# Altium PCB BACKPMANv20.PcbDoc (part 3 of 4)
Units mm, origin at the board's own origin, x right, y up, seen from the top; angles counter-clockwise.
Board outline 113 x 160 mm, 4 copper layers (Component Side, Layer 1, Layer 2, Bottom Layer), stack 1.707 mm thick; 341 components, 232 nets, 1177 pads, 728 vias.
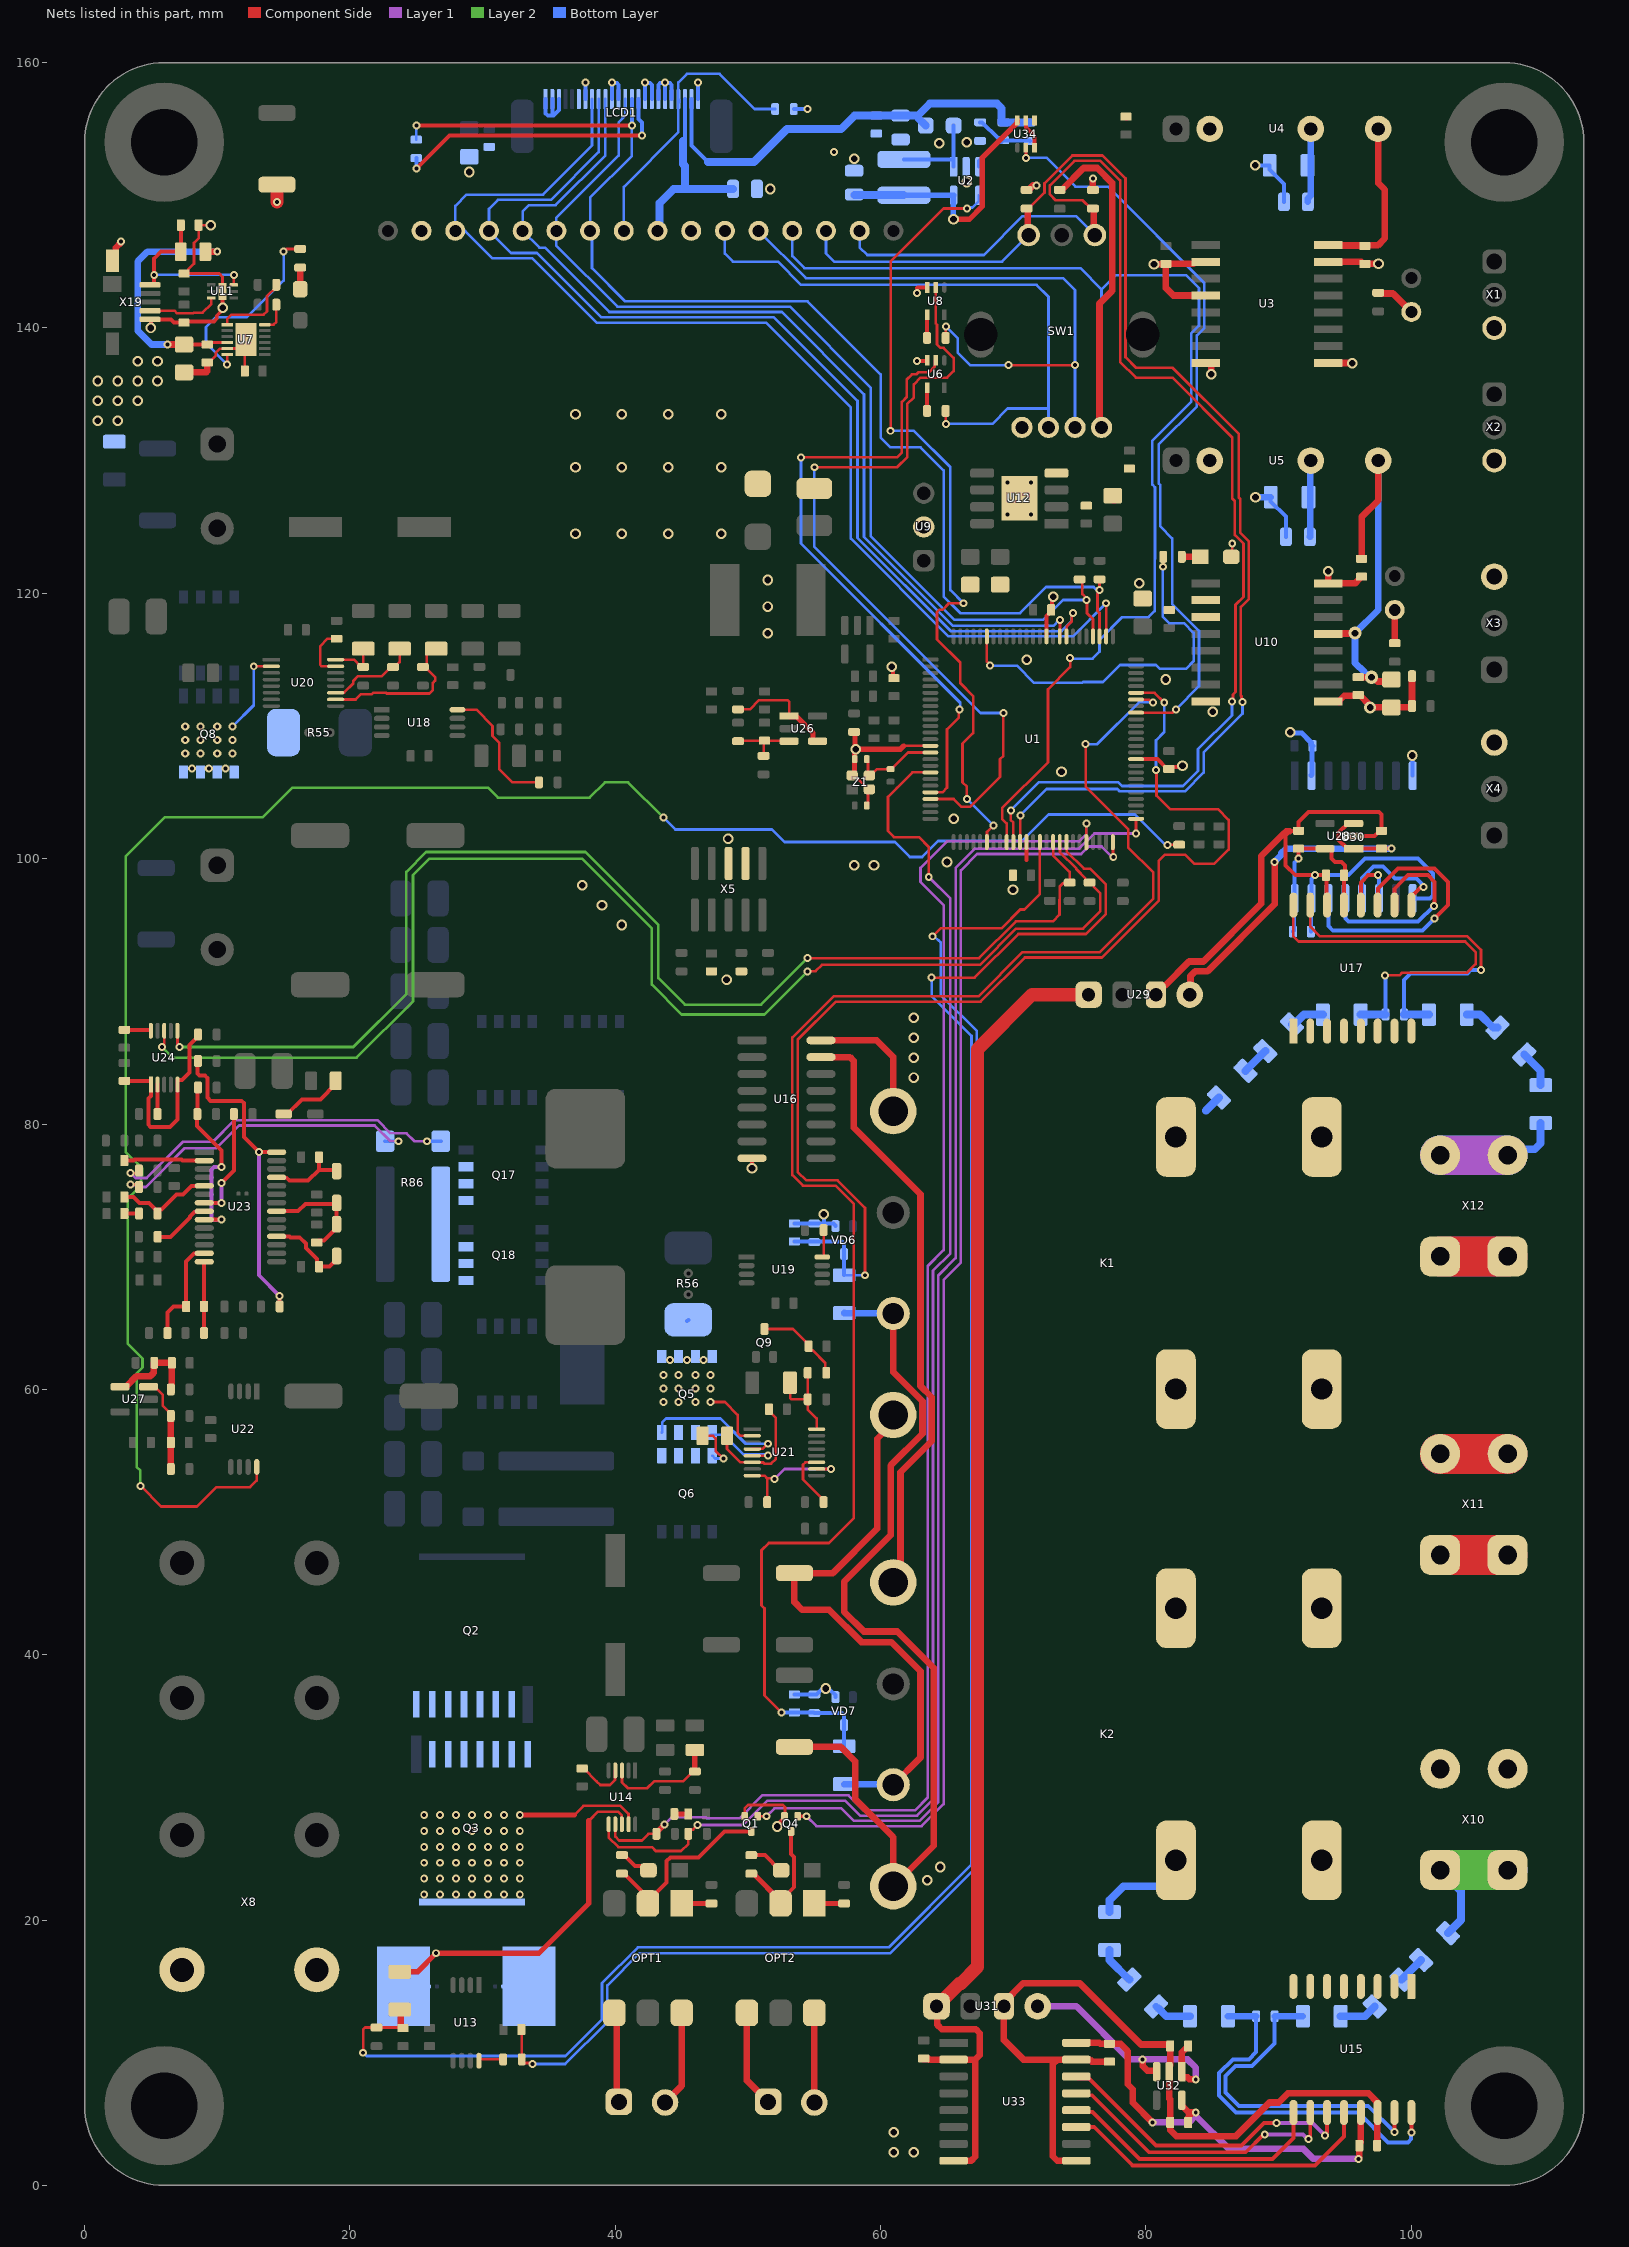
[diagram p5: the nets of this part, all layers, seen from the top]

## Via types
v1: diameter 0.6, hole 0.3, Component Side to Bottom Layer, tented both sides, 260 vias
v2: diameter 0.8, hole 0.5, Component Side to Bottom Layer, tented both sides, 242 vias
v3: diameter 0.61, hole 0.3, Component Side to Bottom Layer, tented both sides, 135 vias
v4: diameter 0.6, hole 0.3, Component Side to Bottom Layer, 88 vias
v5: diameter 1, hole 0.5, Component Side to Bottom Layer, tented both sides, 2 vias
v6: diameter 0.9, hole 0.5, Component Side to Bottom Layer, tented both sides, 1 vias

## Nets (pads, with @x,y where several pads share a name; then routed paths per layer and width w, separated by ;. In a path a pad name is that pad's centre, name@x,y a point inside that pad or via, vN(x,y) a via of type N, cw(c..) or ccw(c..) an arc to the next point about the centre after c; other vN are vias at no path point) (continued)
ENC_A: P10.1 R10.1 SW1.A U1.35 | length 103.6
  Component Side w0.2: v1(69.823,103.619) 69.802,103.597 69.802,102.91 70,102.712 U1.35@70,101.25 ; R10.1@76,149 75.85,149 75.227,149.623 73.19,149.623 72.75,150.064 72.75,150.736 74.614,152.6 76.559,152.6 78.05,151.109 78.05,137.45 79.25,136.25 82,136.25 86.5,131.75 86.5,127.136 86.7,126.936 86.7,124.399 87.35,123.749 87.35,119.737 86.75,119.137 86.75,112.557 86.556,112.364 86.556,111.928 v1(86.48,111.852)
  Component Side w0.5: R10.1@76,149 76.025,149 76.075,148.95 76.075,147.075 SW1.A@76.15,147
  Bottom Layer w0.2: P10.1@58.42,147.32 58.42,146.08 59,145.5 67.775,145.5 70.7,148.425 74.725,148.425 SW1.A@76.15,147 ; v1(69.823,103.619) 69.823,103.662 71.911,105.75 77.914,105.75 78.186,105.478 82.783,105.478 83.925,106.619 83.925,108.25 86.48,110.805 v1(86.48,111.852)
ENC_B: P11.1 R11.1 SW1.B U1.36 | length 99.4
  Component Side w0.2: U1.36@70.5,101.25 70.513,101.263 70.513,103.223 v1(70.526,103.236) ; R11.1@71,149 71.025,149 71.15,149 72.35,150.2 72.35,150.902 74.448,153 76.725,153 78.45,151.275 78.45,137.8 79.25,137 82,137 87,132 87,127.202 87.1,127.102 87.1,124.564 87.75,123.914 87.75,119.571 87.15,118.971 87.15,112.301 87.203,112.249 87.203,111.891 v1(87.279,111.815)
  Component Side w0.5: R11.1@71.025,149 71.075,148.95 71.075,147.075 SW1.B@71.15,147
  Bottom Layer w0.2: P11.1@55.88,147.32 55.88,145.62 56.5,145 69.15,145 SW1.B@71.15,147 ; v1(70.526,103.236) 70.526,103.276 72.5,105.25 77.849,105.25 78.021,105.078 82.949,105.078 84.35,106.479 84.35,108 87.279,110.929 v1(87.279,111.815)
ENC_SW: P13.1 R13.1 SW1.4 U1.34 | length 119.3
  Component Side w0.2: U1.34@69.5,101.25 69.5,102.646 69.162,102.985 69.162,103.805 72.612,107.255 72.612,112.763 74.284,114.435 v1(74.284,115.111)
  Component Side w0.5: R13.1@73.5,150.4 73.65,150.4 75.3,152.05 76.331,152.05 77.45,150.931 77.45,142.793 76.5,141.844 76.5,132.65 SW1.4@76.65,132.5
  Bottom Layer w0.2: P13.1@53.34,147.32 53.34,145.41 54.25,144.5 75.05,144.5 76.65,142.9 ; v1(74.284,115.111) 74.325,115.07 75.969,115.07 76.5,115.601 76.5,116.49 78.21,118.2 80.2,118.2 80.65,118.65 80.65,122.584 80.675,122.609 80.675,127.991 80.475,128.191 80.475,131.5 83.4,134.425 83.4,139.575 84,140.175 84,143 83.025,143.975 77.725,143.975 76.65,142.9 ; SW1.4@76.65,132.5 76.65,142.9
EXTAL: C10.1 R9.1 U1.15 Z1.3 | length 6.6
  Component Side w0.2: C10.1@58.952,107.5 59.051,107.401 59.051,106.433 59.021,106.404 Z1.3@59.15,106.275 59.247,106.275 59.722,106.75 60.825,106.75 62.075,108 U1.15@63.75,108
GND: B7.1 C1.1 C2.2 C3.2 C4.1 C5.2 C7.2 C9.1 C10.2 C13.1 C14.1 C15.1 C16.1 C17.2 C18.1 C19.1 C20.1 C21.1 C22.1 C23.2 C30.2 C31.2 C33.2 C34.2 C40.1 C44.2 C45.2 C46.1 C47.2 C48.1 C49.2 C111.1 C112.1 C113.2 C114.2 C115.2 L3.1 LCD1.1 LCD1.2 LCD1.3 LCD1.6 LCD1.7 LCD1.11 LCD1.12 LCD1.16 LCD1.17 LCD1.18 LCD1.19 LCD1.20 LCD1.24 LED17.2 P9.1 P16.1 Q1.2 Q4.2 R3.1 R5.2 R10.2 R11.2 R14.2 R52.1 R54.1 R116.1 R117.1 SW1.1 U1.14 U1.37 U1.60 U1.86 U2.2 U3.2 U3.4 U3.8 U4.2 U5.2 U6.3 U7.5 U7.13 U8.3 U9.2 U10.2 U10.3 U10.8 U11.7 U12.4 U12.9 U16.8 U29.1 U30.2 U30.8 U31.1 U33.2 U33.8 U34.4 VD2.2 VD6.1 VD7.1 VD12.1 X5.3 X5.5 X19.5 X19.G1 Z1.2 Z1.4 | length 219.7
  Component Side w0.2: C34.2@7.5,144.1 C34.2@7.625,144.1 ; C30.2@9.25,137.4 9.375,137.4 9.875,137.9 9.875,138.125 10.175,138.425 10.725,138.425 U7.5@10.75,138.45 11.49,138.45 U7.13@12.075,139.035 ; v2(9.5,147.75) C45.2@8.6,147.75 8.6,146.758 8.25,146.408 8.25,144.85 7.825,144.425 7.825,144.3 C34.2@7.625,144.1 ; U11.7@10.4,142.75 10.4,143.85 10.15,144.1 C34.2@7.625,144.1 ; C31.2@12.075,136.75 U7.13@12.075,139.035 ; U7.13@12.165,139.125 U7.13@12.075,139.035 ; Q1.2@49.75,27.825 49.75,28.425 50,28.675 52.625,28.675 52.792,28.508 52.792,27.867 Q4.2@52.75,27.825 ; Z1.4@57.85,106.275 57.899,106.275 57.947,106.275 58.322,105.9 58.411,105.9 Z1.2@59.086,105.225 ; C17.2@58.952,104 59.069,104.117 59.051,104.136 59.051,105.126 Z1.2@59.15,105.225 ; 61.75,108.475 61.862,108.475 61.887,108.5 U1.14@63.75,108.5 ; LED17.2@86.425,122.75 86.5,122.825 v1(86.5,123.75)
  Component Side w0.3: X19.5@4.927,140.65 X19.5@4.95,140.65 ; v2(5,140) 5,140.6 X19.5@4.95,140.65 ; U11.7@10.4,142.75 10.41,142.739 10.41,141.522 v2(10.421,141.511) 10.421,141.376 9.962,140.917 9.962,140.712 9.75,140.5 7.6,140.5 C33.2@7.5,140.4 6.75,140.4 6.5,140.65 X19.5@4.95,140.65 ; C18.1@47.25,91.5 C18.1@47.375,91.5 ; v2@48.291,90.959 v2(48.387,90.863) v2@48.482,90.959 ; v2(48.5,101.5) v2@48.52,101.48 ; X5.5@48.52,99.656 X5.5@48.54,99.636 ; R14.2@49.35,91.5 R14.2@49.5,91.5 ; v2(50.3,76.675) U16.8@50.3,77.42 ; v2(52.2,27.05) 52.296,27.146 52.296,27.291 52.75,27.745 Q4.2@52.75,27.825 ; v2(60.83,114.453) 60.915,114.368 60.915,113.685 C14.1@61,113.6 ; v1(62.75,137.5) 62.775,137.525 63.475,137.525 63.475,137.5 63.5,137.525 U6.3@63.5,137.55 ; 62.75,143 62.8,143.05 U8.3@63.5,143.05 ; C13.1@69.975,98.75 C13.1@69.975,98.875 ; 71,99.9 U1.37@71,101.25 ; U1.86@72.5,116.75 72.5,118.275 72.85,118.625 C15.1@72.85,118.75 72.925,118.825 72.925,119.675 v2(73,119.75) ; U1.60@79.25,107.5 80.85,107.5 81.601,106.749 C16.1@81.725,106.75 81.875,106.9 82.515,106.9 82.615,107 v2(82.75,107)
  Component Side w0.4: Z1.4@57.899,106.275 58.023,106.399 58.023,107.475 C10.2@58.048,107.5 58.025,107.523 v2@58.025,108.25 ; L3.1@58,109.55 58.06,109.49 58.06,108.285 v2@58.025,108.25 ; 61.737,108.487 61.5,108.25 v2@58.025,108.25
  Component Side w0.5: X19.G1@2.097,145.08 2.347,145.33 2.347,146.042 2.75,146.446 v1(2.75,146.5) ; C47.2@7.5,136.65 9.15,136.65 9.25,136.75 C30.2@9.25,137.4 ; C112.1@63.25,9.525 63.63,9.525 63.675,9.48 U33.2@65.5,9.48 67.13,9.48 ; U31.1@64.21,13.5 64.275,13.435 64.275,12.1 64.6,11.775 67.175,11.775 67.475,11.475 67.475,9.825 67.13,9.48 ; U33.8@65.5,1.86 65.511,1.871 66.837,1.871 67.13,2.164 67.13,9.48 ; R11.2@71,150.4 71.15,150.4 71.481,150.731 71.731,150.731 v1(71.75,150.75) ; R10.2@76,150.4 v1(76,151.25) ; C9.1@78.5,155.925 C9.1@78.55,155.875 ; v2(79.5,120.75) v2@79.557,120.693 ; v2(80.6,144.8) 80.612,144.812 81.488,144.812 C7.2@81.5,144.825 ; U10.8@84.5,111.86 U10.8@85.275,111.86 ; U10.3@84.5,118.21 U10.3@85.275,118.21 ; U3.8@84.5,137.36 84.875,137.36 84.925,137.31 v2(84.925,136.5) ; U3.2@84.5,144.98 83.725,144.98 83.57,144.825 C7.2@81.5,144.825 ; U3.4@84.515,142.425 U3.4@84.5,142.44 82.06,142.44 81.5,143 C7.2@81.5,144.825 ; U4.2@84.8,155 U4.2@84.8,155.406
  Component Side w1: v1(14.5,149.5) VD12.1@14.5,150.8 ; VD2.2@50.75,128.25 VD2.2@51.1,127.9 ; U31.1@64.21,13.5 64.735,14.025 64.755,14.025 65.93,15.2 66.022,15.2 67.3,16.478 67.3,85.65 71.4,89.75 U29.1@75.67,89.75 ; C21.1@77.4,127.35 C21.1@77.5,127.35 C21.1@77.6,127.25
  Bottom Layer w0.2: U30.2@92.452,106.278 U30.2@92.48,106.25
  Bottom Layer w0.3: LCD1.1@34.75,157.25 34.75,156.176 34.926,156 35.25,156 LCD1.2@35.25,157.25 ; 35.338,156 35.75,156.412 LCD1.3@35.75,157.25 ; LCD1.7@37.75,157.25 v1(37.75,158.5) ; LCD1.11@39.75,157.25 v1(39.75,158.5) 39.8,158.45 40.124,158.45 40.25,158.324 LCD1.12@40.25,157.25 ; LCD1.16@42.25,157.25 v1(42.25,158.5) 42.3,158.45 42.624,158.45 42.75,158.324 LCD1.17@42.75,157.25 ; LCD1.18@43.25,157.25 43.25,158.324 43.376,158.45 43.7,158.45 v1(43.75,158.5) ; LCD1.19@43.75,157.25 v1(43.75,158.5) ; LCD1.20@44.25,157.25 44.25,158.324 44.124,158.45 43.8,158.45 v1(43.75,158.5) ; LCD1.24@46.25,157.25 v1(46.25,158.5) ; R3.1@53.45,156.5 v1(54.5,156.5) ; C49.2@53.5,37 55.15,37 55.504,37.354 55.754,37.354 v2(55.85,37.45) 55.946,37.354 56.196,37.354 56.6,36.95 VD7.1@56.6,36.8 ; C44.2@53.5,72.5 R52.1@55,72.5 55.725,72.5 ; v2(55.725,73.2) 55.725,72.5 ; VD6.1@56.6,72.3 56.6,72.35 56.45,72.5 55.725,72.5 ; v2@88.247,152.25 R116.1@89.325,152.25 89.325,151.925 90.4,150.85 C113.2@90.4,149.5 ; R117.1@89.4,127.25 89.4,126.925 90.55,125.775 C114.2@90.55,124.25 ; v2(100.075,107.775) 100.087,107.762 100.087,106.263 U30.8@100.1,106.25
  Bottom Layer w0.4: v2(90.88,109.54) 90.957,109.463 91.737,109.463 92.45,108.75 92.45,108.6 C111.1@92.55,108.5 ; U30.2@92.452,106.278 92.515,106.34 92.515,108.438 C111.1@92.564,108.486
  Bottom Layer w0.5: P9.1@25.209,147.511 P9.1@25.4,147.32 ; U4.2@84.8,154.625 U4.2@84.8,155 ; v2(88.25,127.25) R117.1@89.4,127.25
  other v1: 62.75,142.65 56.5,153.25
  other v2: 61,2.5 62.5,2.5 61,4 63.5,23 64.5,24 62.5,83.5 62.5,85 62.5,86.5 62.5,88 40.5,95 39,96.5 69.975,97.65 37.5,98 58,99.5 59.5,99.5 65,99.75 65.5,103 73.633,106.563 58.12,108.25 85.025,111.075 81.5,113.5 71,115 51.5,117 51.5,119 51.5,121 37,124.5 40.5,124.5 44,124.5 48,124.5 37,129.5 40.5,129.5 44,129.5 48,129.5 1,133 2.5,133 37,133.5 40.5,133.5 44,133.5 48,133.5 1,134.5 2.5,134.5 4,134.5 1,136 2.5,136 4,136 5.5,136 4,137.5 5.5,137.5 51.675,150.475 66.5,151 28.997,151.753 88.247,152.253 58,152.75 64.425,153.925 66.5,154
  other v4: 69.55,125.955 71.35,125.955 69.55,128.355 71.35,128.355
I1+3V3: C50.1 C106.1 C107.2 U17.13 U28.5 U30.16 | length 13.8
  Component Side w0.3: v1(91.5,100) C106.1@91.5,100.75 U28.5@93.5,100.75 93.85,100.75 93.975,100.625 93.975,100.025 94.25,99.75 94.75,99.75 95,99.5 95,98.825 C50.1@94.925,98.75 94.922,98.747 94.922,96.502 U17.13@94.92,96.5
  Bottom Layer w0.3: C107.2@91.075,94.5 91.142,94.568 91.142,96.932 U30.16@91.21,97 91.21,99.71 v1(91.5,100)
I1+5V: C105.1 U28.1 U28.3 U29.4 | length 28.7
  Component Side w0.3: U28.3@95.65,102.65 95.2,102.65 94.875,102.325 94.861,102.325 94.517,101.981 94.517,101.419 94.861,101.075 94.875,101.075 95.2,100.75 U28.1@95.65,100.75 C105.1@97.75,100.75 v1(98.5,100.75)
  Component Side w0.5: U29.4@83.29,89.75 83.357,89.817 83.357,91.157 83.7,91.5 84.625,91.5 89.7,96.575 v1(89.7,99.75)
  Bottom Layer w0.5: v1(89.7,99.75) 89.7,99.777 90.185,100.262 90.185,100.396 90.538,100.75 v1(98.5,100.75)
I1_GND: C50.2 C105.2 C106.2 C107.1 U17.14 U28.2 U29.3 U30.9 U30.15 | length 54.7
  Component Side w0.3: U17.14@93.65,96.5 93.612,96.538 93.612,98.712 C50.2@93.575,98.75 92.75,98.75 91.25,98.75 90.5,99.5 90.5,101.75 90.816,102.066 91.466,102.066 C106.2@91.5,102.1 91.5,102.75 92.25,103.5 97.574,103.5 97.75,103.324 C105.2@97.75,102.1 97.625,102.1 97.225,101.7 U28.2@95.65,101.7
  Component Side w0.5: U29.3@80.75,89.75 80.75,89.932 81.24,90.423 81.423,90.423 83.25,92.25 84.325,92.25 88.675,96.6 88.675,100.175 90.375,101.875 90.566,102.066 90.816,102.066
  Bottom Layer w0.3: C107.1@92.425,94.5 92.452,94.528 92.452,96.972 U30.15@92.48,97 92.48,98.48 v1(92.75,98.75) 95.25,98.75 96.5,100 100.5,100 101.626,98.874 101.626,97.236 101.39,97 U30.9@100.1,97
I1_SPI1_CS: U17.9 U30.12 | length 9.1
  Component Side w0.3: U17.9@100,96.5 100,97.15 100.644,97.794 100.843,97.794 v1(100.9,97.852)
  Bottom Layer w0.3: U30.12@96.29,97 96.29,98.54 97.15,99.4 97.85,99.4 98.75,98.5 100.382,98.5 100.75,98.132 100.75,98.083 100.9,97.933 v1(100.9,97.852)
I1_SPI1_MISO: U17.12 U30.11 | length 5
  Component Side w0.3: U17.12@96.19,96.5 96.19,98.19 96.75,98.75 v1(97.5,98.75)
  Bottom Layer w0.3: v1(97.5,98.75) 97.56,98.69 U30.11@97.56,97
I1_SPI1_MOSI: U17.10 U30.13 | length 15.5
  Component Side w0.3: U17.10@98.73,96.5 98.73,97.73 99.75,98.75 101.25,98.75 101.75,98.25 101.75,96.47 v1(101.721,96.441)
  Bottom Layer w0.3: U30.13@95.02,97 95.02,95.48 95.25,95.25 100.5,95.25 101.691,96.441 v1(101.721,96.441)
I1_SPI1_SCK: U17.11 U30.14 | length 21.3
  Component Side w0.3: U17.11@97.46,96.5 97.5,96.54 97.5,97.75 99,99.25 101.75,99.25 102.75,98.25 102.75,96.5 v1(101.75,95.5)
  Bottom Layer w0.3: U30.14@93.75,97 93.75,94.926 94.076,94.6 100.85,94.6 v1(101.75,95.5)
I2+3V3: C38.1 C109.1 C110.2 U15.13 U32.5 U33.16 | length 33.7
  Component Side w0.5: U33.16@74.75,10.75 76.475,10.75 76.55,10.675 C110.2@77.25,10.675 78.075,10.675 78.625,10.125 78.625,7.625 79,7.25 79,6.25 v1(80.5,4.75) ; U32.5@82.7,6.425 82.7,6.025 83.225,5.5 v1@83.526,5.5 ; C109.1@83.175,4.75 83.175,5.149 v1@83.526,5.5 ; v1(83.75,5.5) v1@83.526,5.5 ; v1(96,2) 96.075,2.075 C38.1@96.075,3 96.075,3.125 96.19,3.24 U15.13@96.19,5.5
  Layer 1 w0.5: v1(80.5,4.75) 83.25,4.75 v1@83.75,5.25 ; v1(83.75,5.5) v1@83.75,5.25 ; v1(96,2) 92.619,2 91.869,2.75 86.25,2.75 v1@83.75,5.25
I2+5V: C108.1 U31.4 U32.1 U32.3 | length 20.2
  Component Side w0.5: v1(79.75,9.5) 79.75,9 80.101,8.649 80.775,8.649 80.8,8.624 U32.3@80.8,8.575 ; C108.1@83.175,10.5 83.175,10.375 83.051,10.375 82.7,10.023 U32.1@82.7,8.575 82.7,8.175 82.725,8.15 83.125,8.15 83.275,8 v1(83.75,8)
  Layer 1 w0.5: U31.4@71.83,13.5 74.75,13.5 78.75,9.5 v1(79.75,9.5) 83.129,9.5 83.75,8.879 v1(83.75,8)
I2_GND: C38.2 C108.2 C109.2 C110.1 U15.14 U31.3 U32.2 U33.9 U33.15 | length 63.1
  Component Side w0.5: U33.9@74.75,1.86 73.316,1.86 72.975,2.201 72.975,9.129 73.326,9.48 ; C110.1@77.25,9.325 75.925,9.325 75.77,9.48 U33.15@74.75,9.48 73.326,9.48 ; C38.2@97.425,3 97.425,5.465 U15.14@97.443,5.483 ; U15.14@97.46,5.5 97.46,6.259 96.769,6.95 90.7,6.95 90,6.25 89.312,6.25 86.78,3.718 82.282,3.718 81.825,4.175 C109.2@81.825,4.75 81.825,6.475 81.75,6.55 U32.2@81.75,8.575 81.75,8.975 81.825,9.05 C108.2@81.825,10.5 81.825,10.625 79.625,10.625 75,15.25 70.75,15.25 69.29,13.79 U31.3@69.29,13.5 69.29,10.96 70.77,9.48 73.326,9.48
I2_SPI1_CS: U15.9 U33.12 | length 20.5
  Component Side w0.3: U33.12@74.75,5.67 74.872,5.548 75.952,5.548 79.5,2 89.534,2 91.11,3.576 U15.9@91.11,5.5
I2_SPI1_MISO: U15.12 U33.11 | length 24.1
  Component Side w0.3: U33.11@74.75,4.4 76.1,4.4 79,1.5 92.75,1.5 94.92,3.67 U15.12@94.92,5.5
I2_SPI1_MOSI: U15.10 U33.13 | length 22.1
  Component Side w0.3: U33.13@74.75,6.94 74.894,6.796 75.929,6.796 80.225,2.5 87.519,2.5 88.869,3.85 v1(88.95,3.85) ; v1(92.25,3.5) 92.25,3.581 92.38,3.711 U15.10@92.38,5.5
  Layer 1 w0.3: v1(88.95,3.85) 91.819,3.85 92.169,3.5 v1(92.25,3.5)
I2_SPI1_SCK: U15.11 U33.14 | length 23.8
  Component Side w0.3: U33.14@74.75,8.21 74.9,8.06 75.69,8.06 80.75,3 87.181,3 88.881,4.7 v1(89.85,4.7) ; v1(93.5,3.75) 93.5,3.831 93.65,3.981 U15.11@93.65,5.5
  Layer 1 w0.3: v1(89.85,4.7) 92.55,4.7 v1(93.5,3.75)
I2C1_SCL: R98.2 U1.41 U24.6 | length 95.6
  Component Side w0.2: U24.6@7,87.025 7,86.058 7.15,85.908 v1(7.15,85.8) ; v1(54.5,92.5) 67.425,92.5 70.2,95.275 72.975,95.275 73.475,95.775 73.475,96.925 73.5,96.95 73.5,97.9 73.725,98.125 74.175,98.125 R98.2@74.25,98.2 74.25,99 73,100.25 U1.41@73,101.25
  Layer 2 w0.2: v1(7.15,85.8) 20.25,85.8 24.25,89.8 24.25,99 25.75,100.5 37.75,100.5 43.25,95 43.25,91 45.25,89 51,89 v1(54.5,92.5)
I2C1_SDA: R97.2 U1.42 U24.8 | length 101.4
  Component Side w0.2: v1(5.825,85.8) 6,85.975 U24.8@6,87.025 ; v1(54.5,91.5) 54.525,91.525 55.1,91.525 55.575,92 67.49,92 70.215,94.725 75.25,94.725 76.55,96.025 76.55,97.4 76.069,97.881 76.069,98.004 75.873,98.2 R97.2@75.75,98.2 75.725,98.175 75.652,98.175 75.431,98.396 75.431,98.519 74.75,99.2 74.75,99.25 73.519,100.481 73.519,101.231 U1.42@73.5,101.25
  Layer 2 w0.2: v1(5.825,85.8) 6.625,85 20.5,85 24.75,89.25 24.75,98.75 26,100 37.5,100 42.75,94.75 42.75,90.5 45,88.25 51.25,88.25 v1(54.5,91.5)
IGND: C35.1 C41.1 C42.1 C114.1 E3.1 E4.1 R117.2 U5.5 U10.9 U10.16 X3.3 X4.3 | length 19.5
  Component Side w0.5: U5.5@92.42,129.905 U5.5@92.42,130 ; U10.9@93.75,111.86 U10.9@94.525,111.86 ; v2@93.75,121.675 U10.16@93.75,120.75 95.75,120.75 96.075,121.075 96.075,121.2 96.125,121.25 C35.1@96.375,121.25 ; U10.9@94.575,111.81 U10.9@94.525,111.86 ; E4.1@100.05,111.35 E3.1@100.05,113.75 ; E4.1@100.05,111.448 100,111.398 98.502,111.398 C41.1@98.5,111.4 98.498,111.398 96.898,111.398 v6(96.896,111.396) 96.82,111.473 96.82,111.63 96.175,112.275 94.94,112.275 U10.9@94.525,111.86 ; X4.3@105.999,109.001 X4.3@106.25,108.75
  Bottom Layer w0.5: C114.1@92.35,124.25 92.385,124.285 92.385,129.965 U5.5@92.42,130
  other v2: 93.725,121.675
IGND2: C8.1 C113.1 R116.2 U3.9 U3.15 U4.5 X1.3 X2.3 | length 11.3
  Component Side w0.5: U3.15@93.73,145 U3.15@93.75,144.98 96.22,144.98 96.375,144.825 C8.1@96.5,144.825 v2(97.525,144.825) ; U3.9@93.75,137.36 v2@95.55,137.36
  Bottom Layer w0.5: C113.1@92.2,149.5 92.2,149.75 92.42,149.97 U4.5@92.42,155
  other v2: 95.55,137.35
INTVCC: C84.1 U23.21 VD13.2 VD14.2 | length 8.6
  Component Side w0.3: U23.21@14.475,73.432 16.082,73.432 16.635,73.985 VD13.2@19,73.985 ; C84.1@17.5,71.075 17.65,71.225 18.05,71.225 19,72.175 VD13.2@19,74.05
INV_PATH_STATE: C49.1 R53.2 R54.2 U1.69 VD7.3 | length 120.5
  Component Side w0.2: v1(52.525,35.65) 51.25,36.925 51.25,43.497 51.023,43.724 51.023,47.873 51.575,48.425 56.1,48.425 57.975,50.3 57.975,73.959 56.584,75.35 54.15,75.35 53.35,76.15 53.35,86.516 56.459,89.625 67.378,89.625 70.703,92.95 76.516,92.95 80.55,96.984 80.55,98.95 78.65,100.85 78.65,102.225 75.45,105.425 v1(75.45,108.625) ; U1.69@79.25,112 79.269,111.981 80.207,111.981 80.413,111.775 v1(80.521,111.775)
  Bottom Layer w0.2: v1(75.45,108.625) 76.325,108.625 79.475,111.775 v1(80.521,111.775)
  Bottom Layer w0.3: v1(52.525,35.65) C49.1@53.5,35.65 54.95,35.65 R54.2@55,35.6 57.074,35.6 57.25,35.424 VD7.3@57.25,34.7 R53.2@57.25,33.1
INV_PWR: B2.1 R23.2 R24.1 U14.8 X8.2 | length 26.2
  Component Side w0.2: 38,27.481 38.684,28.165 40.203,28.165 40.49,27.878 40.49,27.235 U14.8@40.5,27.225
  Component Side w0.4: R23.2@23.75,16.1 25.1,16.1 v1(26.5,17.5) 34.25,17.5 38,21.25 38,27.481
INVERT_I: C24.2 R21.2 U1.39 | length 129.6
  Component Side w0.2: C24.2@32.938,11.888 32.938,9.459 33.146,9.25 33.146,9.225 33.675,9.225 v1(33.75,9.15) ; v1(63.925,94.15) 64.525,94.75 69.109,94.75 70.522,96.163 70.838,96.163 72,97.325 U1.39@72,101.25
  Bottom Layer w0.2: v1(33.75,9.15) 36.216,9.15 39.4,12.334 39.4,15.084 41.816,17.5 60.727,17.5 67.25,24.023 67.25,87 64.525,89.725 64.525,93.684 64.384,93.825 64.358,93.825 64.033,94.15 v1(63.925,94.15)
INVERT_V: C25.2 R20.2 R23.1 U1.43 | length 149.7
  Component Side w0.2: v1(21,10) 21,11.75 21.15,11.9 R20.2@22,11.9 C25.2@23.825,11.9 ; v1(63.85,91.025) 67.081,91.025 70.381,94.325 75.475,94.325 76.975,95.825 76.975,98.061 75.786,99.25 75.316,99.25 74.019,100.547 74.019,101.231 U1.43@74,101.25
  Component Side w0.5: R23.1@23.75,13.25 23.75,13.05 23.825,12.975 23.825,12.193 C25.2@23.825,11.9
  Bottom Layer w0.2: v1(21,10) 21.25,9.75 36.25,9.75 39,12.5 39,15.25 41.7,17.95 60.612,17.95 66.85,24.188 66.85,86.65 63.85,89.65 v1(63.85,91.025)
INVSW_FAULT: R27.1 U1.46 U14.7 | length 114.1
  Component Side w0.2: U14.7@40,27.225 40,26.291 40.291,26 42,26 42.5,26.5 R27.1@43.1,26.5 ; U1.46@75.5,101.25 v1(75.5,102.65)
  Component Side w0.4: R27.1@43.1,26.5 43.1,26.65 43.2,26.75 43.25,26.75 v1(43.7,27.2)
  Layer 1 w0.2: v1(43.7,27.2) 44.261,27.761 46.811,27.761 46.902,27.67 49.345,27.67 51.075,29.4 57.575,29.4 58.7,28.275 62.575,28.275 63.55,29.25 63.55,69.3 64.75,70.5 64.75,96.5 63,98.25 63,99.304 64.996,101.3 74.936,101.3 75.5,101.864 v1(75.5,102.65)
INVSW_ON: R31.2 U1.18 U14.6 | length 112
  Component Side w0.2: U14.6@39.5,27.225 39.5,26.225 40.225,25.5 42.75,25.5 43.05,25.2 44.95,25.2 45.5,25.75 45.5,26.623 45.696,26.819 45.868,26.819 v1(46.209,27.161) ; v1(63.625,98.625) 63.625,100.875 62.875,101.625 61.236,101.625 61.009,101.625 60.55,102.084 60.55,104.656 61.225,105.331 62.394,106.5 U1.18@63.75,106.5
  Layer 1 w0.2: v1(46.209,27.161) 49.636,27.161 51.475,29 57.325,29 58.45,27.875 62.75,27.875 63.95,29.075 63.95,68.95 65.25,70.25 65.25,97 v1(63.625,98.625)